# Altium PCB Proyecto0.PcbDoc (part 4 of 5) (continued)
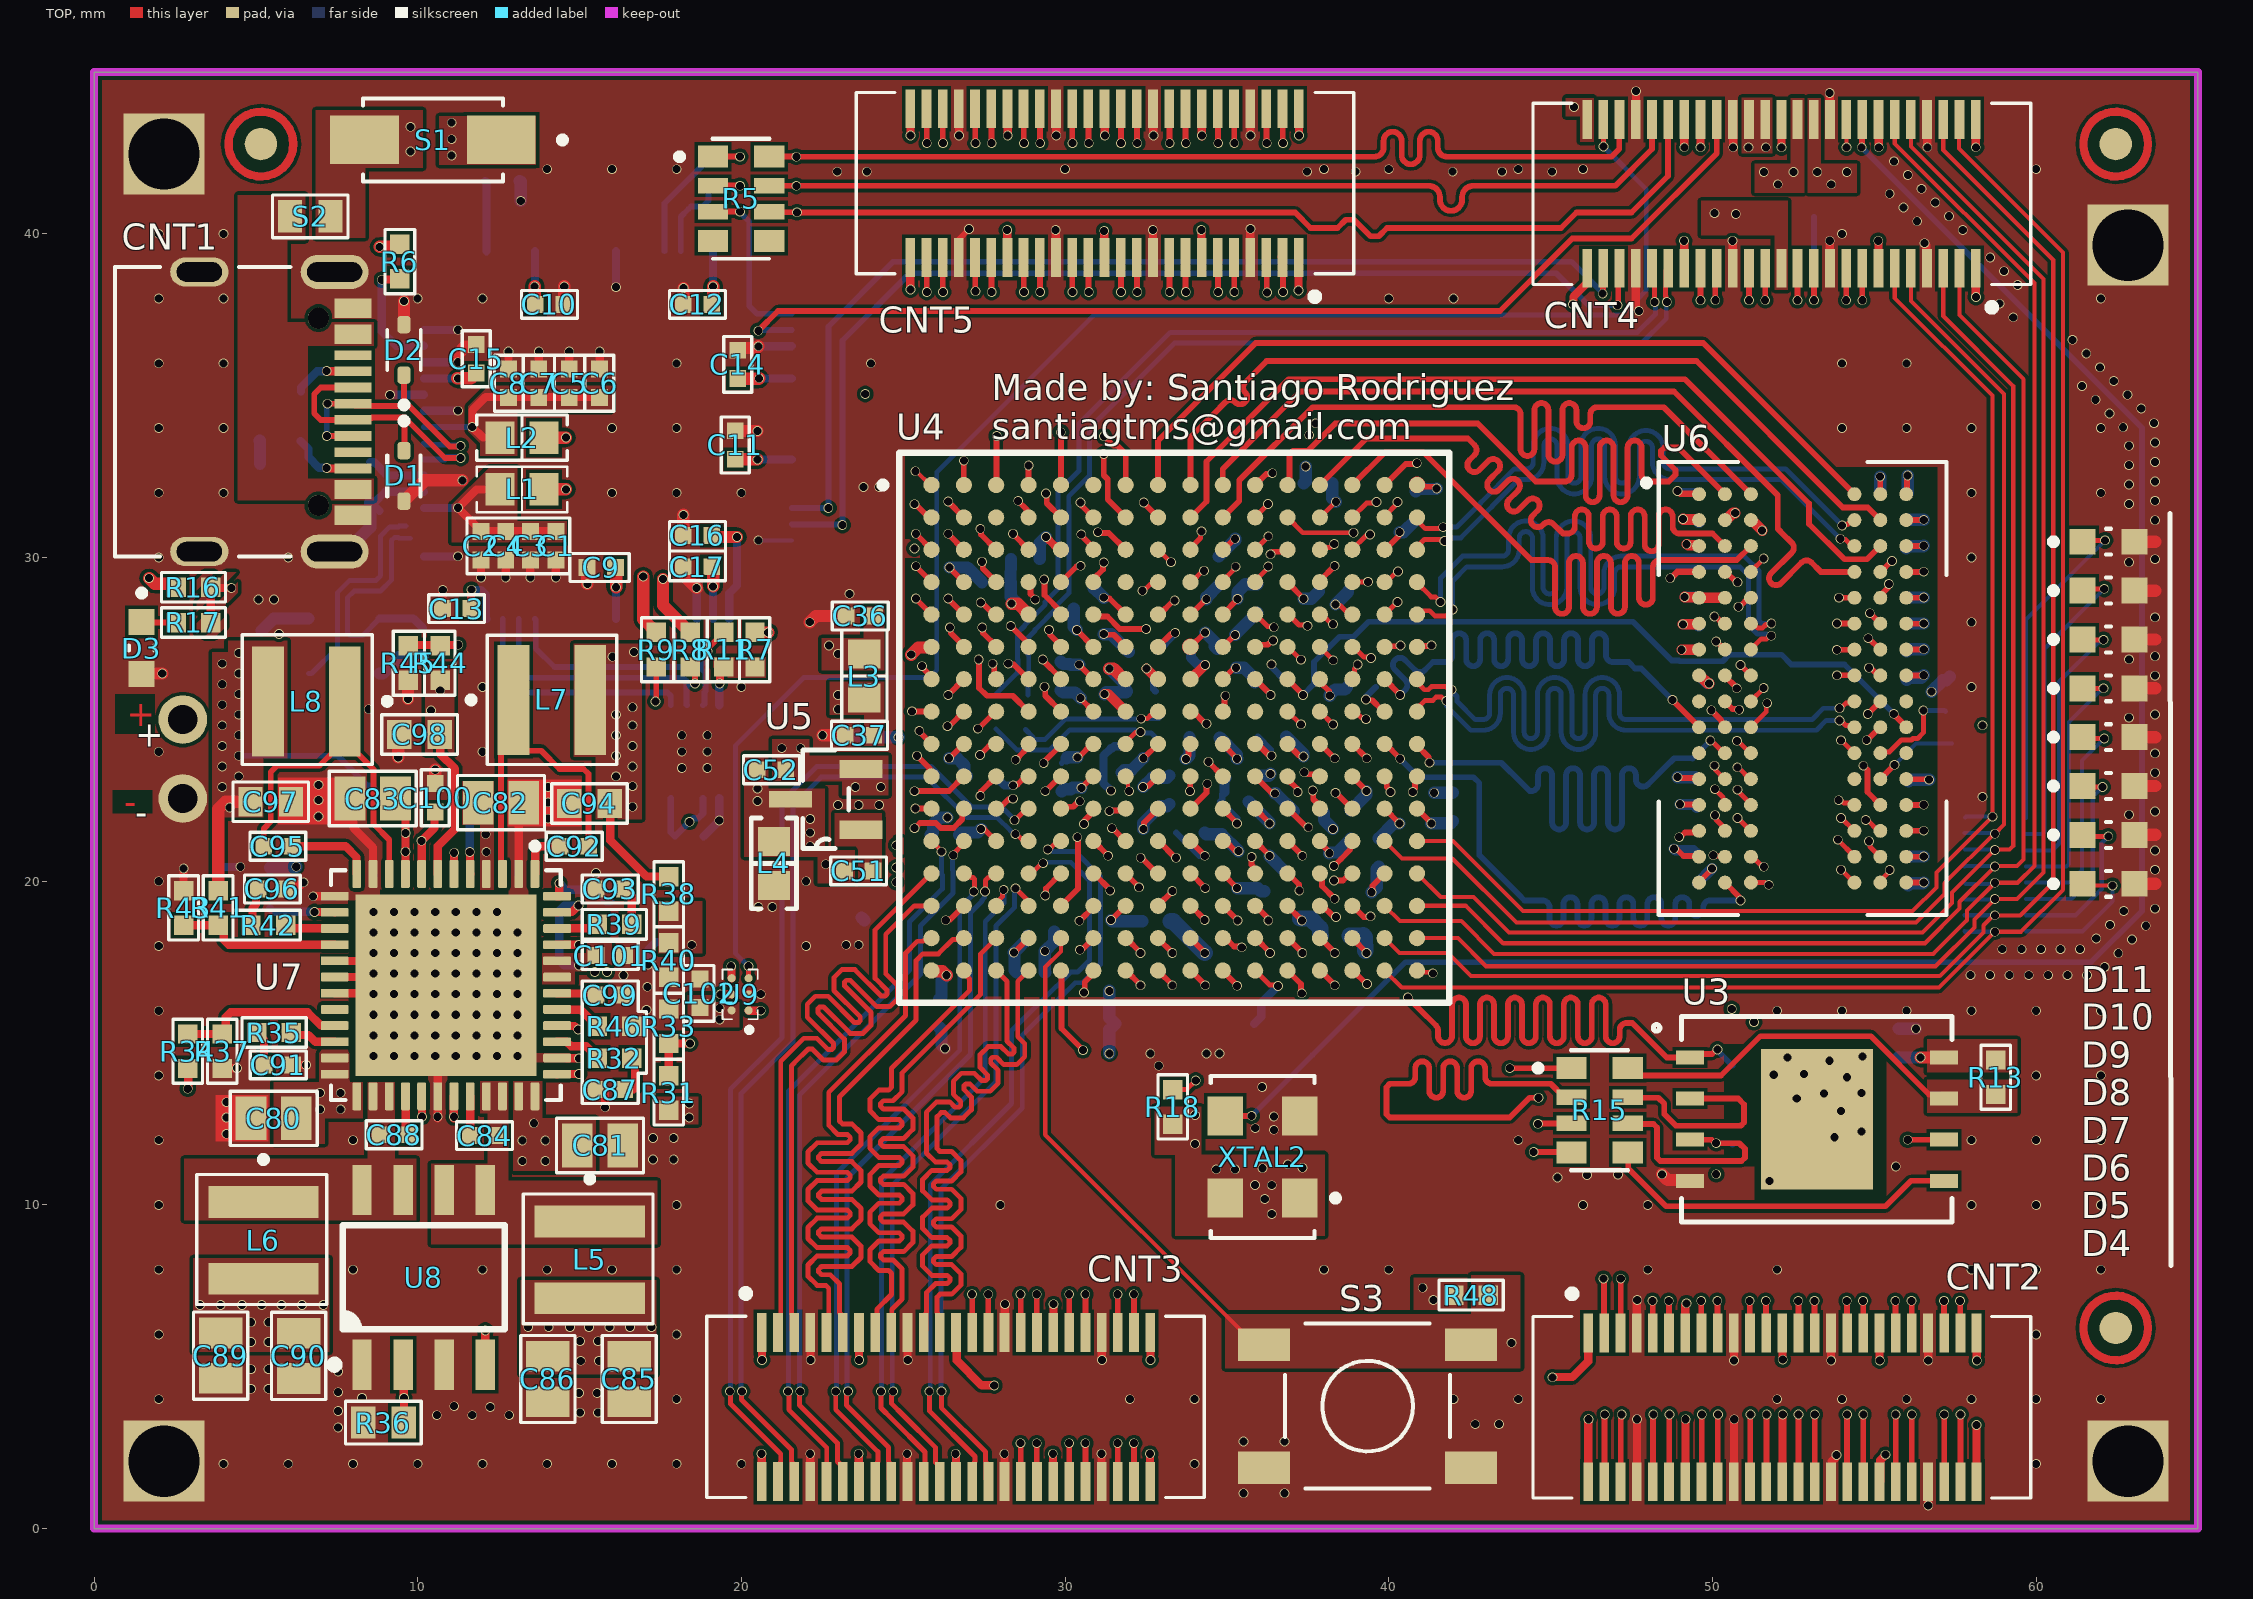
[diagram p0: TOP view]
## Nets (pads, with @x,y where several pads share a name; then routed paths per layer and width w, separated by ;. In a path a pad name is that pad's centre, name@x,y a point inside that pad or via, vN(x,y) a via of type N, cw(c..) or ccw(c..) an arc to the next point about the centre after c; other vN are vias at no path point) (continued)
  TOP w0.254: U7.45@14.306,18.039 14.309,18.037 14.983,18.037 v1(14.986,18.034) ; R40.1@17.755,18.099 R40.1@17.76,18.105 ; v1@18.453,18.034 v1(18.466,18.034)
  Signal[1] w0.254: v1(14.986,18.034) v1(18.466,18.034)
NetR41_1: R41.1 R43.1 U7.16 | length 5.1
  TOP w0.254: R43.1@2.769,18.641 2.77,18.642 R41.1@3.835,18.644 R41.1@3.835,18.644 4.008,18.471 4.008,18.188 4.157,18.039 U7.16@7.436,18.039
NetR44_1: R44.1 R45.1 U7.6 | length 8.7
  TOP w0.254: R45.1@9.703,27.27 9.729,27.296 11.243,27.296 v1(11.252,27.305) ; U7.6@11.121,20.224 11.125,20.228 11.123,20.23 11.123,20.877 v1(11.125,20.879)
  Signal[1] w0.254: v1(11.125,20.879) 11.125,20.891 11.252,21.018 v1(11.252,27.305)
NetR46_2: R46.2 U7.41 | length 1.5
  TOP w0.254: U7.41@14.306,16.039 14.314,16.031 15.033,16.031 R46.2@15.545,15.519
NetU7_31: U7.31 U8.4 | length 8.7
  TOP w0.254: v1@11.117,12.675 v1@11.121,12.679 ; v1(11.117,12.725) 11.117,13.35 U7.31@11.121,13.354 ; U8.4@12.09,5.065 v1(12.09,6.121)
  Signal[1] w0.254: v1(11.117,12.725) 11.117,7.095 v1(12.09,6.121)
ODT: U4.G15 U6.K1 | length 22.3
  TOP w0.178: U4.G15@39.873,26.241 40.351,25.763 v1(40.351,25.756) ; v1(48.768,25.603) 48.768,25.589 49.586,24.771 U6.K1@49.586,24.757
  BOT w0.178: v1(40.351,25.756) 40.444,25.849 40.507,25.912 ccw(c40.355,26.064) 40.507,26.217 40.193,26.532 cw(c40.345,26.685) 40.193,26.837 cw(c40.345,26.685) 40.498,26.837 40.813,26.522 ccw(c40.965,26.675) 41.118,26.522 41.367,26.772 41.504,26.772 41.656,26.772 41.745,26.772 ccw(c41.745,26.987) 41.961,26.987 41.961,27.445 cw(c42.177,27.445) 42.393,27.445 42.393,26.86 ccw(c42.608,26.86) 42.824,26.86 42.824,27.445 cw(c43.04,27.445) 43.256,27.445 43.256,26.86 ccw(c43.472,26.86) 43.688,26.86 43.688,27.445 cw(c43.904,27.445) 44.12,27.445 44.12,26.86 ccw(c44.336,26.86) 44.552,26.86 44.552,27.445 cw(c44.767,27.445) 44.983,27.445 44.983,26.86 ccw(c45.199,26.86) 45.415,26.86 45.415,27.445 cw(c45.631,27.445) 45.847,27.445 45.847,26.86 ccw(c46.063,26.86) 46.279,26.86 46.279,27.445 cw(c46.495,27.445) 46.711,27.445 46.711,26.987 ccw(c46.926,26.987) 46.926,26.772 47.411,26.772 47.609,26.573 47.798,26.573 v1(48.768,25.603)
P5: CNT4.8 U4.P5 | length 39
  TOP w0.178: U4.P5@29.873,19.241 30.398,19.766 30.398,21.342 v1(30.378,21.361) ; v1(54.63,37.948) CNT4.8@54.63,38.936
  Signal[1] w0.152: v1(30.378,21.361) 30.402,21.338 32.262,21.338 32.367,21.232 35.482,21.232 35.489,21.225 36.288,21.225 36.906,21.844 36.906,22.61 36.883,22.633 36.883,22.884 36.906,22.907 36.906,27.788 37.871,28.753 37.871,30.404 41.588,34.12 50.803,34.12 v1(54.63,37.948)
P8: CNT2.34 U4.T8 | length 33.8
  TOP w0.178: U4.T8@32.889,17.236 32.889,17.218 33.314,16.792 v1(33.314,16.785) ; CNT2.34@54.16,1.448 v1(54.161,3.528)
  Signal[1] w0.152: v1(33.314,16.785) 33.314,14.804 33.322,14.796 33.322,14.566 33.314,14.559 33.314,10.424 41.412,2.327 52.957,2.327 v1@54.161,3.531
P9: CNT2.36 U4.R8 | length 33
  TOP w0.178: U4.R8@32.889,18.236 32.889,18.218 33.314,17.792 v1(33.314,17.785) ; CNT2.36@53.158,1.452 53.16,1.454 v1@53.16,3.53
  Signal[1] w0.152: v1(33.314,17.785) 33.33,17.785 33.706,17.409 33.706,10.871 41.935,2.642 52.272,2.642 v1@53.161,3.531
  other v1: 53.161,3.528
P10: CNT2.43 U4.R10 | length 23.7
  TOP w0.178: U4.R10@34.889,18.236 34.965,18.236 35.22,17.981 35.435,17.981 v1(35.458,17.958) ; CNT2.43@49.658,1.452 49.666,1.46 49.666,3.521 v1(49.673,3.528)
  Signal[1] w0.152: v1(35.458,17.958) 36.271,17.145 36.271,15.824 46.533,5.563 47.638,5.563 v1(49.673,3.528)
P11: CNT2.42 U4.T12 | length 21.9
  TOP w0.178: U4.T12@36.889,17.236 36.889,17.225 37.289,16.825 37.289,16.559 v1(37.313,16.535) ; CNT2.42@50.158,1.452 50.166,1.46 50.166,3.521 v1(50.173,3.528)
  Signal[1] w0.152: v1(37.313,16.535) 37.313,15.367 46.761,5.918 47.783,5.918 v1(50.173,3.528)
P13: CNT2.45 U4.N9 | length 25.2
  TOP w0.178: U4.N9@33.889,20.236 v1@34.33,19.795 ; CNT2.45@48.658,1.452 48.666,1.46 48.666,3.521 v1(48.673,3.528)
  Signal[1] w0.152: v1(34.33,19.785) 34.976,19.139 34.976,18.034 35.156,17.854 35.156,17.832 35.333,17.655 35.355,17.655 35.992,17.018 35.992,15.697 47.371,4.318 47.883,4.318 v1(48.673,3.528)
P14: CNT2.48 U4.T10 | length 20.9
  TOP w0.178: U4.T10@34.889,17.236 34.889,17.21 35.315,16.784 v1(35.315,16.77) ; CNT2.48@47.158,1.452 47.166,1.46 47.166,3.391 47.172,3.396 47.172,3.482 v1@47.195,3.506
  Signal[1] w0.152: v1(35.315,16.77) 35.33,16.754 35.33,15.393 v1(47.195,3.528)
PROGRAM_B: CNT4.11 R19.1 U4.L9 | length 32.6
  TOP w0.178: U4.L9@33.873,22.241 34.368,22.737 34.368,22.989 v1(34.392,23.012) ; CNT4.11@53.13,38.936 53.133,38.932 v1@53.133,37.949 ; v1@53.133,37.925 v1@53.133,37.949 ; v1@53.137,37.946 v1@53.133,37.949
  Signal[1] w0.152: v1(34.392,23.012) 34.976,23.597 34.976,24.74 35.611,25.375 35.611,27.965 37.084,29.439 37.084,30.895 41.215,35.027 50.216,35.027 v1(53.137,37.948)
  BOT w0.178: v1@53.137,37.922 v1(53.137,37.948) R19.1@53.137,40.523
QSPI_C\S\: R14.1 U3.1 U4.L12 | length 34.3
  TOP w0.178: U4.L12@36.889,22.236 37.435,21.69 37.492,21.69 v1(37.516,21.666) ; v1(40.589,16.408) 40.943,16.055 41.458,15.539 cw(c41.306,15.387) 41.521,15.387 41.521,15.216 ccw(c41.737,15.216) 41.953,15.216 41.953,16.189 cw(c42.169,16.189) 42.385,16.189 42.385,15.212 ccw(c42.601,15.212) 42.817,15.212 42.817,16.189 cw(c43.033,16.189) 43.249,16.189 43.249,15.212 ccw(c43.465,15.212) 43.68,15.212 43.68,16.189 cw(c43.896,16.189) 44.112,16.189 44.112,15.212 ccw(c44.328,15.212) 44.544,15.212 44.544,16.189 cw(c44.76,16.189) 44.976,16.189 44.976,15.212 ccw(c45.192,15.212) 45.408,15.212 45.408,16.189 cw(c45.624,16.189) 45.839,16.189 45.839,15.212 ccw(c46.055,15.212) 46.271,15.212 46.271,16.189 cw(c46.487,16.189) 46.703,16.189 46.703,15.212 ccw(c46.919,15.212) 47.135,15.212 47.135,15.405 cw(c47.351,15.405) 47.351,15.621 47.44,15.621 47.523,15.621 48.59,14.554 49.289,14.554 49.398,14.663 49.987,14.663 50.125,14.801 v1(50.158,14.801)
  Signal[2] w0.152: v1(37.516,21.666) 37.77,21.412 37.77,18.847 40.208,16.408 v1(40.589,16.408)
  BOT w0.178: v1(50.158,14.801) 50.181,14.777 50.181,14.741 R14.1@50.622,14.3
QSPI_CLK: U3.6 U4.E8 | length 36.3
  TOP w0.178: U4.E8@32.871,28.23 32.906,28.23 33.351,28.675 v1(33.384,28.675) ; v2(56.032,12.014) U3.6@57.137,12.014
  Signal[2] w0.152: v1(33.384,28.675) 33.934,28.125 33.934,24.714 36.83,21.819 36.83,17.831 43.332,11.328 55.347,11.328 v2(56.032,12.014)
QSPI_DATA0: R15.4 U4.K16 | length 25
  TOP w0.178: v1@40.811,22.861 40.811,23.179 U4.K16@40.873,23.241 ; v1@44.425,11.659 44.45,11.633 v1(44.475,11.633) 45.635,11.633 R15.4@45.644,11.624
  Signal[2] w0.152: v1(40.742,22.758) 40.742,21.006 43.574,18.174 43.628,18.12 ccw(c43.771,18.263) 43.915,18.12 43.966,18.171 cw(c44.11,18.028) 44.254,18.171 cw(c44.11,18.028) 44.254,17.884 44.102,17.733 ccw(c44.246,17.589) 44.102,17.445 ccw(c44.246,17.589) 44.39,17.445 44.63,17.685 cw(c44.773,17.541) 44.917,17.685 cw(c44.773,17.541) 44.917,17.398 44.677,17.158 ccw(c44.821,17.014) 44.677,16.871 ccw(c44.821,17.014) 44.965,16.871 45.204,17.11 cw(c45.348,16.967) 45.492,17.11 cw(c45.348,16.967) 45.492,16.823 45.252,16.583 ccw(c45.396,16.439) 45.252,16.296 ccw(c45.396,16.439) 45.539,16.296 45.779,16.536 cw(c45.923,16.392) 46.067,16.536 cw(c45.923,16.392) 46.067,16.248 45.827,16.008 ccw(c45.97,15.865) 45.827,15.721 ccw(c45.97,15.865) 46.114,15.721 46.354,15.961 cw(c46.498,15.817) 46.641,15.961 cw(c46.498,15.817) 46.641,15.674 46.401,15.434 ccw(c46.545,15.29) 46.401,15.146 ccw(c46.545,15.29) 46.689,15.146 46.929,15.386 cw(c47.072,15.242) 47.216,15.386 cw(c47.072,15.242) 47.216,15.099 47.076,14.959 ccw(c47.22,14.815) 47.076,14.671 47.546,14.202 47.6,14.148 47.625,14.122 47.625,11.735 47.523,11.633 v1(44.475,11.633)
QSPI_DATA0_T: R15.5 U3.5 | length 11
  TOP w0.178: R15.5@47.396,11.608 47.396,11.125 48.565,9.957 55.347,9.957 56.134,10.744 U3.5@57.137,10.744
QSPI_DATA1: R15.2 U4.J14 | length 29.8
  TOP w0.178: U4.J14@38.88,24.236 39.319,23.797 v1(39.321,23.797) ; v1(44.628,13.31) 44.348,13.31 43.739,12.7 40.033,12.7 39.929,12.804 39.929,13.637 40.033,13.741 40.514,13.741 40.603,13.741 ccw(c40.603,13.957) 40.819,13.957 40.819,14.22 cw(c41.034,14.22) 41.25,14.22 41.25,13.526 ccw(c41.466,13.526) 41.682,13.526 41.682,14.22 cw(c41.898,14.22) 42.114,14.22 42.114,13.526 ccw(c42.33,13.526) 42.546,13.526 42.546,14.22 cw(c42.762,14.22) 42.978,14.22 42.978,13.957 ccw(c43.193,13.957) 43.193,13.741 43.536,13.741 45.001,13.741 45.382,13.36 R15.2@45.644,13.36
  Signal[2] w0.152: v1(39.321,23.797) 39.321,23.785 39.649,23.456 39.649,20.117 44.628,15.138 v1(44.628,13.31)
QSPI_DATA1_T: R15.7 U3.2 | length 6.4
  TOP w0.178: R15.7@47.473,13.31 48.327,13.31 48.514,13.123 48.514,12.802 48.87,12.446 50.874,12.446 50.978,12.55 50.978,13.106 50.8,13.284 U3.2@49.289,13.284
QSPI_DATA2: R15.3 U4.K15 | length 27.1
  TOP w0.178: U4.K15@39.863,23.262 39.934,23.191 39.934,22.913 40.056,22.791 v1(40.056,22.758) ; v1@44.602,12.522 44.61,12.514 45.634,12.514 R15.3@45.644,12.524
  Signal[2] w0.152: v1(40.056,22.758) 40.056,22.748 39.903,22.595 39.903,21.241 40.056,21.089 40.056,20.65 40.173,20.533 ccw(c40.316,20.677) 40.46,20.533 40.475,20.548 cw(c40.619,20.405) 40.763,20.548 cw(c40.619,20.405) 40.763,20.261 40.554,20.052 ccw(c40.698,19.908) 40.554,19.765 ccw(c40.698,19.908) 40.841,19.765 41.05,19.973 cw(c41.194,19.83) 41.337,19.973 cw(c41.194,19.83) 41.337,19.686 41.129,19.477 ccw(c41.272,19.334) 41.129,19.19 ccw(c41.272,19.334) 41.416,19.19 41.625,19.399 cw(c41.768,19.255) 41.912,19.399 cw(c41.768,19.255) 41.912,19.111 41.703,18.903 ccw(c41.847,18.759) 41.703,18.615 ccw(c41.847,18.759) 41.991,18.615 42.199,18.824 cw(c42.343,18.68) 42.487,18.824 cw(c42.343,18.68) 42.487,18.537 42.278,18.328 ccw(c42.422,18.184) 42.278,18.041 ccw(c42.422,18.184) 42.565,18.041 42.774,18.249 cw(c42.918,18.106) 43.062,18.249 cw(c42.918,18.106) 43.062,17.962 42.853,17.753 ; 42.853,17.753 ccw(c42.997,17.61) 42.853,17.466 ccw(c42.997,17.61) 43.14,17.466 43.349,17.675 cw(c43.493,17.531) 43.636,17.675 cw(c43.493,17.531) 43.636,17.387 43.621,17.372 ccw(c43.765,17.228) 43.621,17.085 44.537,16.169 45.326,15.38 45.38,15.326 ccw(c45.524,15.469) 45.668,15.326 45.67,15.328 cw(c45.813,15.184) 45.957,15.328 cw(c45.813,15.184) 45.957,15.041 45.002,14.086 ccw(c45.146,13.942) 45.002,13.798 ccw(c45.146,13.942) 45.29,13.798 45.955,14.464 cw(c46.099,14.32) 46.242,14.464 47.079,13.627 47.219,13.487 47.219,12.611 47.152,12.544 47.129,12.522 46.38,12.522 cw(c46.38,12.725) 46.177,12.725 46.177,12.893 ccw(c45.974,12.893) 45.771,12.893 45.771,12.725 cw(c45.568,12.725) 45.568,12.522 45.491,12.522 44.628,12.522 v1(44.61,12.504)
QSPI_DATA2_T: R12.1 R15.6 U3.3 | length 7.3
  TOP w0.178: R15.6@47.422,12.548 47.473,12.497 48.181,12.497 48.285,12.393 48.285,11.458 48.39,11.354 50.899,11.354 51.003,11.458 51.003,11.735 50.83,11.908 v1(50.114,11.908) ; U3.3@49.301,12.014 49.975,12.014 v1@50.098,11.891
  BOT w0.178: v1(50.114,11.908) 50.576,11.908 R12.1@50.622,11.862
QSPI_DATA3: R15.1 U4.J13 | length 26.4
  TOP w0.178: U4.J13@37.889,24.236 37.889,24.232 38.323,23.797 v1(38.33,23.797) ; v1@43.713,14.224 v1(43.739,14.224) R15.1@45.644,14.224
  Signal[2] w0.152: v1(38.33,23.797) 38.33,23.785 38.989,23.126 38.989,22.962 38.989,22.631 ccw(c39.192,22.631) 39.192,22.428 39.217,22.428 cw(c39.217,22.225) 39.217,22.022 38.784,22.022 ccw(c38.784,21.819) 38.784,21.615 39.217,21.615 cw(c39.217,21.412) 39.217,21.209 38.689,21.209 ccw(c38.689,21.006) 38.689,20.803 39.217,20.803 cw(c39.217,20.599) 39.217,20.396 39.192,20.396 ccw(c39.192,20.193) 38.989,20.193 38.989,19.71 38.989,18.694 39.182,18.501 39.462,18.501 39.733,18.23 ccw(c39.877,18.373) 40.021,18.23 40.109,18.318 cw(c40.252,18.174) 40.396,18.318 cw(c40.252,18.174) 40.396,18.03 39.985,17.619 ccw(c40.128,17.475) 39.985,17.331 ccw(c40.128,17.475) 40.272,17.331 40.683,17.743 cw(c40.827,17.599) 40.971,17.743 cw(c40.827,17.599) 40.971,17.455 40.614,17.099 ccw(c40.758,16.955) 40.614,16.812 ccw(c40.758,16.955) 40.902,16.812 40.944,16.854 cw(c41.088,16.711) 41.232,16.854 cw(c41.088,16.711) 41.232,16.567 41.134,16.469 ccw(c41.278,16.326) 41.134,16.182 ccw(c41.278,16.326) 41.421,16.182 41.833,16.593 cw(c41.976,16.45) 42.12,16.593 cw(c41.976,16.45) 42.12,16.306 41.709,15.895 ccw(c41.852,15.751) 41.709,15.607 ccw(c41.852,15.751) 41.996,15.607 42.408,16.019 cw(c42.551,15.875) 42.695,16.019 cw(c42.551,15.875) 42.695,15.731 42.284,15.32 ccw(c42.427,15.176) 42.284,15.033 ccw(c42.427,15.176) 42.571,15.033 42.982,15.444 cw(c43.126,15.3) 43.27,15.444 cw(c43.126,15.3) 43.27,15.157 42.858,14.745 ccw(c43.002,14.601) 42.858,14.458 ccw(c43.002,14.601) 43.146,14.458 43.182,14.494 cw(c43.325,14.35) 43.469,14.494 43.523,14.44 v1(43.739,14.224)
QSPI_DATA3_T: R13.1 R15.8 U3.7 | length 11.2
  TOP w0.178: R15.8@47.384,14.224 47.612,13.995 50.267,13.995 51.486,15.215 54.889,15.215 56.693,13.411 57.01,13.411 U3.7@57.137,13.284
R7: CNT2.27 U4.T5 | length 42
  TOP w0.178: U4.T5@29.889,17.236 29.889,15.45 v1(30.556,14.783) ; CNT2.27@57.658,1.452 57.66,1.454 v1@57.66,3.53
  Signal[1] w0.152: v1(30.556,14.783) 30.556,9.347 39.116,0.787 54.92,0.787 v1(57.661,3.528)
R8: CNT2.33 U4.T7 | length 35.5
  TOP w0.178: U4.T7@31.889,17.236 v1@32.33,16.795 ; CNT2.33@54.658,1.452 54.66,1.454 v1@54.66,3.53
  Signal[1] w0.152: v1(32.33,16.785) 32.33,10.52 40.869,1.981 53.114,1.981 v1(54.661,3.528)
R10: CNT2.14 U4.N13 | length 23
  TOP w0.178: U4.N13@37.877,20.23 37.934,20.173 37.934,19.851 v1(38.329,19.456) ; v1@52.65,7.022 52.655,7.017 52.655,6.053 CNT2.14@52.657,6.051
  Signal[1] w0.152: v1(38.329,19.456) 38.329,19.496 38.898,20.066 41.453,20.066 52.65,8.869 v1@52.65,7.027
  other v1: 52.65,7.036
R11: CNT2.15 U4.N14 | length 23.8
  TOP w0.178: v1(38.309,20.025) 38.585,20.025 38.801,20.241 U4.N14@38.873,20.241 ; v1(53.15,7.036) 53.155,7.031 53.155,6.053 CNT2.15@53.157,6.051
  Signal[1] w0.152: v1(38.309,20.025) 38.679,20.396 42.621,20.396 53.15,9.867 v1(53.15,7.036)
R12: CNT2.11 U4.P14 | length 19.3
  TOP w0.178: U4.P14@38.889,19.236 39.229,18.896 39.419,18.896 v1(39.439,18.916) ; v1(51.15,7.036) 51.155,7.031 51.155,6.053 CNT2.11@51.157,6.051
  Signal[1] w0.152: v1(39.439,18.916) 40.901,18.916 51.15,8.667 v1(51.15,7.036)
R13: CNT2.40 U4.R11 | length 24.2
  TOP w0.178: U4.R11@35.889,18.236 v1@36.33,17.795 ; CNT2.40@51.158,1.452 51.166,1.46 51.166,3.521 v1(51.173,3.528)
  Signal[1] w0.152: v1(36.33,17.785) 36.982,17.133 37.408,17.133 37.694,16.847 37.694,15.596 46.99,6.299 48.402,6.299 v1(51.173,3.528)
R15: CNT2.2 U4.T13 | length 14.8
  TOP w0.178: U4.T13@37.889,17.236 v1@38.33,16.795 ; v1(46.634,7.722) 46.647,7.709 46.647,6.06 CNT2.2@46.66,6.048
  Signal[1] w0.152: v1(38.33,16.785) 38.358,16.757 38.358,15.998 v1(46.634,7.722)
R16: CNT2.3 U4.R12 | length 16.7
  TOP w0.178: U4.R12@36.889,18.236 v1@37.33,17.795 ; CNT2.3@47.16,6.048 47.168,6.056 v1(47.168,7.722)
  Signal[1] w0.152: v1(37.33,17.785) 37.892,17.785 38.722,16.954 38.722,16.269 v1@47.168,7.823
R\A\S\: U4.C9 U6.J3 | length 23.7
  TOP w0.152: U4.C9@33.873,30.241 33.873,30.292 34.186,30.605 34.186,30.782 v1(34.214,30.81) ; U6.J3@51.186,25.557 51.186,25.569 51.582,25.964 v1(51.582,25.97)
  Signal[2] w0.152: v1(34.214,30.81) 34.646,31.242 47.904,31.242 50.267,28.88 51.511,28.88 ; 51.517,28.885 52.197,28.205 52.197,27.623 52.197,27.547 ccw(c52.4,27.547) 52.4,27.343 52.446,27.343 cw(c52.446,27.14) 52.446,26.937 52.4,26.937 ccw(c52.4,26.734) 52.197,26.734 52.197,26.594 52.045,26.441 v1@51.638,26.035
RESET: CNT4.42 R48.1 S3.1 S3.2 U4.R5 | length 66
  TOP w0.127: U4.R5@29.873,18.241 29.873,17.833 29.388,17.348 29.388,12.167 35.408,6.146 35.408,6.121 35.845,5.685 S3.1@36.145,5.685 ; CNT4.42@54.13,43.536 54.136,43.53 v1@54.136,42.675 ; v1@54.136,42.672 v1@54.136,42.675 ; v1@54.142,42.669 v1@54.136,42.675
  Signal[2] w0.254: v1(54.142,42.672) 54.151,42.663 54.151,42.445 54.308,42.289 54.31,42.289 54.531,42.067 54.531,42.065 54.788,41.808
  Signal[2] w0.381: v1(43.79,5.74) 46.939,8.89 56.515,8.89 57.277,9.652 57.277,38.303 54.788,40.792 54.788,41.808
T5: CNT2.24 U4.K13 | length 30.2
  TOP w0.178: v1(37.389,23.368) 37.422,23.368 37.487,23.303 37.822,23.303 U4.K13@37.889,23.236 ; v1(57.65,7.036) 57.655,7.031 57.655,6.053 CNT2.24@57.657,6.051
  Signal[1] w0.152: v1(37.389,23.368) 37.416,23.368 37.67,23.114 44.272,23.114 57.65,9.736 v1(57.65,7.036)
T7: CNT2.20 U4.K12 | length 27.7
  TOP w0.178: U4.K12@36.889,23.236 36.889,23.138 37.162,22.864 37.162,22.782 v1(37.186,22.758) ; v1(55.65,7.036) 55.655,7.031 55.655,6.053 CNT2.20@55.657,6.051
  Signal[1] w0.152: v1(37.186,22.758) 37.948,21.996 38.456,21.996 38.964,21.488 40.201,21.488 40.207,21.482 40.458,21.482 40.464,21.488 41.182,21.488 41.189,21.482 41.44,21.482 41.446,21.488 43.028,21.488 55.654,8.862 v1@55.654,7.04 ; v1@55.65,7.034 v1@55.654,7.038
T8: CNT2.21 U4.L13 | length 28
  TOP w0.178: v1(37.651,22.803) 37.651,22.762 37.666,22.746 37.666,22.535 37.857,22.344 U4.L13@37.857,22.246 ; v1(56.15,7.036) 56.155,7.031 56.155,6.053 CNT2.21@56.157,6.051
  Signal[1] w0.152: v1(37.651,22.803) 37.651,22.793 38.067,22.377 38.76,22.377 39.065,22.073 40.192,22.073 40.207,22.088 40.458,22.088 40.473,22.073 41.174,22.073 41.189,22.088 41.44,22.088 41.455,22.073 43.334,22.073 56.15,9.257 v1(56.15,7.036)
T9: CNT2.31 U4.R7 | length 38.4
  TOP w0.178: U4.R7@31.889,18.236 v1@32.33,17.795 ; CNT2.31@55.658,1.452 55.66,1.454 v1@55.66,3.53
  Signal[1] w0.152: v1(32.33,17.785) 31.979,17.433 31.979,10.135 40.411,1.702 53.835,1.702 v1(55.661,3.528)
T10: CNT2.30 U4.M6 | length 42.7
  TOP w0.178: U4.M6@30.889,21.236 v1@31.33,20.795 ; CNT2.30@56.158,1.452 56.16,1.454 v1@56.16,3.53
  Signal[1] w0.152: v1(31.33,20.785) 31.725,20.39 31.725,9.652 39.988,1.388 54.021,1.388 v1(56.161,3.528)
T12: CNT2.12 U4.P13 | length 21.2
  TOP w0.178: U4.P13@37.881,19.26 37.941,19.26 38.282,18.919 38.345,18.919 v1(38.369,18.896) ; v1(51.65,7.036) 51.655,7.031 51.655,6.053 CNT2.12@51.657,6.051
  Signal[1] w0.152: v1(38.369,18.896) 38.776,19.304 41.148,19.304 51.65,8.802 v1(51.65,7.036)
T13: CNT2.39 U4.P10 | length 26.1
  TOP w0.178: U4.P10@34.889,19.236 v1@35.33,18.795 ; CNT2.39@51.658,1.452 51.666,1.46 51.666,3.521 v1(51.673,3.528)
  Signal[1] w0.152: v1(35.33,18.785) 35.825,18.785 37.186,17.424 37.592,17.424 37.998,17.018 37.998,15.799 47.193,6.604 48.597,6.604 v1(51.673,3.528)
T14: CNT2.5 U4.T14 | length 15
  TOP w0.178: U4.T14@38.889,17.236 38.899,17.236 39.309,16.827 v1(39.33,16.827) ; v1(48.15,7.036) 48.155,7.031 48.155,6.053 CNT2.5@48.16,6.048
  Signal[1] w0.152: v1(39.33,16.827) 39.33,16.194 48.15,7.374 v1(48.15,7.036)
T15: CNT2.6 U4.R13 | length 17
  TOP w0.178: U4.R13@37.889,18.236 v1@38.33,17.795 ; v1(48.65,7.036) 48.655,7.031 48.655,6.053 CNT2.6@48.657,6.051
  Signal[1] w0.152: v1(38.33,17.785) 38.348,17.767 38.824,17.767 39.675,16.916 40.081,16.51 40.081,16.231 40.437,15.875 40.64,15.875 44.579,11.936 44.601,11.936 44.778,11.759 44.778,11.737 48.65,7.865 v1(48.65,7.036)
UART_RX: CNT4.23 U1.46 U4.P6 | length 49.7
  TOP w0.178: v1@30.452,18.777 U4.P6@30.893,19.219 ; v1(47.068,37.793) 47.091,37.817 47.091,38.897 CNT4.23@47.13,38.936
  Signal[2] w0.152: v1(23.12,31.004) 24.64,29.484 24.64,25.23 25.195,24.675 25.195,24.498 25.514,24.179 25.551,24.179 26.975,22.754 26.975,22.513 28.993,20.495 28.993,20.459 29.386,20.066 29.627,20.066 30.442,19.251 v1(30.442,18.777)
  BOT w0.178: U1.46@21.555,31.032 21.569,31.018 23.083,31.018 v1@23.088,31.013 ; v1@23.12,31.005 23.12,36.704 25.202,38.786 45.176,38.786 46.168,37.793 v1(47.068,37.793)
UART_TX: CNT4.24 U1.45 U4.R6 | length 50.6
  TOP w0.178: v1(30.457,17.882) 30.48,17.905 30.545,17.905 U4.R6@30.868,18.228 ; v1(46.609,38.154) 46.62,38.164 46.62,38.925 CNT4.24@46.63,38.936
  Signal[2] w0.152: v1@22.666,31.524 22.687,31.503 22.687,30.282 23.799,29.17 23.799,24.929 25.939,22.789 ; 25.933,22.784 25.933,21.975 27.334,20.574 28.219,20.574 28.931,19.863 28.931,19.408 v1(30.457,17.882)
  BOT w0.178: U1.45@21.555,31.532 22.6,31.532 v1@22.619,31.551 ; v1@22.676,31.542 22.687,31.554 22.687,37.14 24.689,39.141 45.644,39.141 46.609,38.176 v1(46.609,38.154)
  other v1: 22.687,31.53
UDM: U4.B15 U6.D3 | length 25.5
  TOP w0.152: U4.B15@39.873,31.241 39.873,31.279 40.268,31.675 v1(40.268,31.713) ; U6.D3@51.186,29.557 51.186,29.569 51.582,29.964 v1(51.582,29.97)
  TOP w0.178: U6.D3@51.186,29.557 U6.D3@51.194,29.55
  Signal[1] w0.152: v1@40.268,31.699 41.97,31.699 ccw(c41.97,31.902) 42.173,31.902 42.173,31.909 cw(c42.377,31.909) 42.58,31.909 42.58,31.342 ccw(c42.783,31.342) 42.986,31.342 42.986,31.909 cw(c43.189,31.909) 43.393,31.909 43.393,31.272 ccw(c43.596,31.272) 43.799,31.272 43.799,31.909 cw(c44.002,31.909) 44.205,31.909 44.205,31.272 ccw(c44.409,31.272) 44.612,31.272 44.612,31.909 cw(c44.815,31.909) 45.018,31.909 45.018,31.272 ccw(c45.221,31.272) 45.425,31.272 45.425,31.909 cw(c45.628,31.909) 45.831,31.909 45.831,31.272 ccw(c46.034,31.272) 46.237,31.272 46.237,31.909 cw(c46.441,31.909) 46.644,31.909 46.644,31.272 ccw(c46.847,31.272) 47.05,31.272 47.05,31.909 cw(c47.253,31.909) 47.457,31.909 47.457,31.416 ccw(c47.66,31.416) 47.863,31.416 47.863,31.902 cw(c48.066,31.902) 48.269,31.902 ccw(c48.473,31.902) 48.473,31.699 49.853,31.699 v1(51.582,29.97)
UDQS_N: U4.B16 U6.B7 | length 22.5
  TOP w0.152: U4.B16@40.873,31.241 40.873,31.147 41.129,30.891 41.529,30.891 41.549,30.911 41.653,30.911 v1(41.681,30.939) ; v1(54.008,30.991) 54.036,31.019 54.173,31.019 54.311,31.157 U6.B7@54.386,31.157
  BOT w0.152: v1(41.681,30.939) 42.092,30.939 42.854,31.701 42.854,31.713 43.881,32.741 44.018,32.741 44.259,32.741 ccw(c44.259,32.944) 44.463,32.944 44.463,33.459 cw(c44.996,33.459) 45.529,33.459 45.529,32.501 ccw(c45.733,32.501) 45.936,32.501 45.936,33.459 cw(c46.469,33.459) 47.003,33.459 47.003,32.501 ccw(c47.206,32.501) 47.409,32.501 47.409,33.39 cw(c47.942,33.39) 48.476,33.39 48.476,32.944 ccw(c48.679,32.944) 48.679,32.741 49.583,32.741 52.258,32.741 v1(54.008,30.991)
UDQS_P: U4.C16 U6.C7 | length 22.6
  TOP w0.152: U4.C16@40.873,30.241 40.873,30.329 41.104,30.561 41.567,30.561 41.586,30.542 41.69,30.542 v1(41.718,30.514) ; v1(53.95,30.582) 53.978,30.553 54.115,30.553 54.311,30.357 U6.C7@54.386,30.357
  BOT w0.152: v1(41.718,30.514) 41.758,30.514 41.853,30.609 42.228,30.609 43.184,31.565 43.184,31.576 44.018,32.41 44.259,32.41 ccw(c44.259,32.944) 44.793,32.944 44.793,33.459 cw(c44.996,33.459) 45.199,33.459 45.199,32.501 ccw(c45.733,32.501) 46.266,32.501 46.266,33.459 cw(c46.469,33.459) 46.672,33.459 46.672,32.501 ccw(c47.206,32.501) 47.739,32.501 47.739,33.39 cw(c47.942,33.39) 48.146,33.39 48.146,32.944 ccw(c48.679,32.944) 48.679,32.41 49.583,32.41 52.121,32.41 v1(53.95,30.582)
USB_DATA_N: CNT1.A7 CNT1.B7 D1.K U1.7 | length 9.2
  TOP w0.178: CNT1.B7@8.004,35.253 7.006,35.253 6.807,35.053 6.807,34.452 7.006,34.253 CNT1.A7@8.004,34.253 8.065,34.314 8.578,34.314 8.589,34.325 9.591,34.325 ; D1.K@9.576,33.299 9.591,33.314 9.591,34.325 ; v1(11.328,33.075) 10.84,33.075 9.591,34.325
  BOT w0.178: U1.7@10.195,33.032 10.835,33.032 10.907,33.104 11.163,33.104 11.171,33.096 11.307,33.096 v1(11.328,33.075)
USB_DATA_P: CNT1.A6 CNT1.B6 D2.K U1.8 | length 8.6
  TOP w0.178: v1(7.194,33.753) CNT1.B6@8.004,33.753 ; v1(7.214,34.753) CNT1.A6@8.004,34.753 8.065,34.691 8.578,34.691 8.589,34.68 9.576,34.68 ; D2.K@9.576,35.636 9.576,34.68 ; v1(11.328,33.452) 11.307,33.431 10.988,33.431 9.738,34.68 9.576,34.68
  BOT w0.178: v1(7.194,33.753) 7.194,34.733 v1(7.214,34.753) ; U1.8@10.195,33.532 10.246,33.481 10.969,33.481 10.99,33.46 11.32,33.46 v1(11.328,33.452)
VCORE: C13.2 C14.2 C15.2 C16.1 U1.12 U1.37 U1.49 U1.64 | length 8.7
  TOP w0.254: C13.2@11.642,28.423 11.659,28.44 11.65,28.449 11.65,28.999 v1(11.659,29.007)
  TOP w0.381: v1@11.227,35.535 11.641,35.535 C15.2@11.811,35.704 ; C16.1@19.084,30.683 19.134,30.632 v1(19.863,30.632) ; C14.2@19.888,35.526 20.54,35.526 v1(20.549,35.535)
  BOT w0.254: U1.12@10.195,35.532 11.224,35.532 v1@11.227,35.535 ; v1(11.659,29.007) 11.668,28.998 11.963,28.998 12.112,28.85 12.112,28.115 U1.64@12.125,28.102 ; U1.49@19.625,28.102 19.625,28.896 19.863,29.134 v1(19.863,30.632) ; v1(20.549,35.535) 20.55,35.533 21.551,35.533 21.552,35.535 U1.37@21.555,35.532
  other v1: 11.241,35.535
VPHY: C1.2 C2.2 C3.2 C4.2 L1.2 U1.4 | length 5.9
  TOP w0.254: L1.2@12.548,32.106 11.814,32.106 v1(11.246,31.537) 11.824,30.959 11.824,30.934 11.949,30.81 12.719,30.81 13.481,30.81 14.26,30.81 C1.2@14.269,30.801
  BOT w0.254: U1.4@10.195,31.532 11.241,31.532 v1(11.246,31.537)
VPLL: C5.2 C6.2 C7.2 C8.2 L2.2 U1.9 | length 6.8
  TOP w0.254: L2.2@12.548,33.706 12.014,33.706 v1(11.684,34.036) 11.693,34.045 11.693,34.553 12.099,34.959 12.802,34.959 13.437,34.959 13.741,34.959 14.376,34.959 14.681,34.959 15.316,34.959
  BOT w0.178: U1.9@10.195,34.032 11.68,34.032 v1(11.684,34.036)
VREG: C101.2 U7.43 U7.44 U7.47 | length 3.6
  TOP w0.254: U7.47@14.306,19.039 14.314,19.047 14.763,19.047 v1(14.965,19.249)
  BOT w0.254: v1(14.965,19.249) 14.957,19.241 14.525,19.241 14.376,19.092 14.376,17.548 14.525,17.399 v1(14.986,17.399)
VSelect: CNT4.27 U9.B3 | length 50.8
  TOP w0.152: v1(20.218,17.374) 20.221,17.371 20.221,17.007 U9.B3@20.224,17.004 ; CNT4.27@46.63,43.634 46.631,43.633 v1(46.632,42.7) v1(46.632,42.7)
  BOT w0.152: v1(20.218,17.374) 19.812,17.78 19.812,24.181 21.92,26.289 25.806,26.289 26.035,26.518 26.035,32.639 30.886,37.49 47.193,37.49 47.424,37.721 47.424,37.743 47.601,37.92 47.623,37.92 47.955,38.252 47.955,41.377 v1(46.632,42.7)
W\E\: U4.D10 U6.L3 | length 19.5
  TOP w0.152: U4.D10@34.873,29.241 34.873,29.284 35.268,29.68 v1(35.268,29.72) ; v1(50.76,24.336) 50.784,24.336 51.162,23.957 U6.L3@51.186,23.957
  Signal[2] w0.152: v1(35.268,29.72) 35.575,29.413 37.821,29.413 38.151,29.083 39.04,29.083 39.218,28.905 40.117,28.905 40.143,28.931 40.394,28.931 40.42,28.905 41.455,28.905 41.48,28.93 41.731,28.93 41.756,28.905 46.253,28.905 48.73,26.429 48.73,26.07 49.098,25.701 49.098,25.222 49.645,24.676 50.071,24.676 50.364,24.383 50.712,24.383 v1(50.76,24.336)
pads on no net: CNT1. CNT1.A8 CNT1.B8 R5.4 R5.5 R47.2 R47.5 U1.16 U1.18 U1.19 U1.21 U1.22 U1.23 U1.24 U1.26 U1.27 U1.30 U1.32 U1.36 U1.38 U1.39 U1.40 U1.41 U1.43 U1.44 U1.48 U1.52 U1.53 U1.54 U1.55 U1.57 U1.58 U1.59 U1.60 U2.7 U4.A6 U4.B3 U4.D7 U4.H11 U6.J1 U6.J9 U6.L1 U6.L9 U6.M7 U7.20